# Altium PCB PCB.PcbDoc (part 3 of 3)
Units mm, origin at the board's own origin, x right, y up, seen from the top; angles counter-clockwise.
Board outline 241.05 x 164.34 mm, 2 copper layers (Top Layer, Bottom Layer); 689 components, 0 nets, 4401 pads, 0 vias.
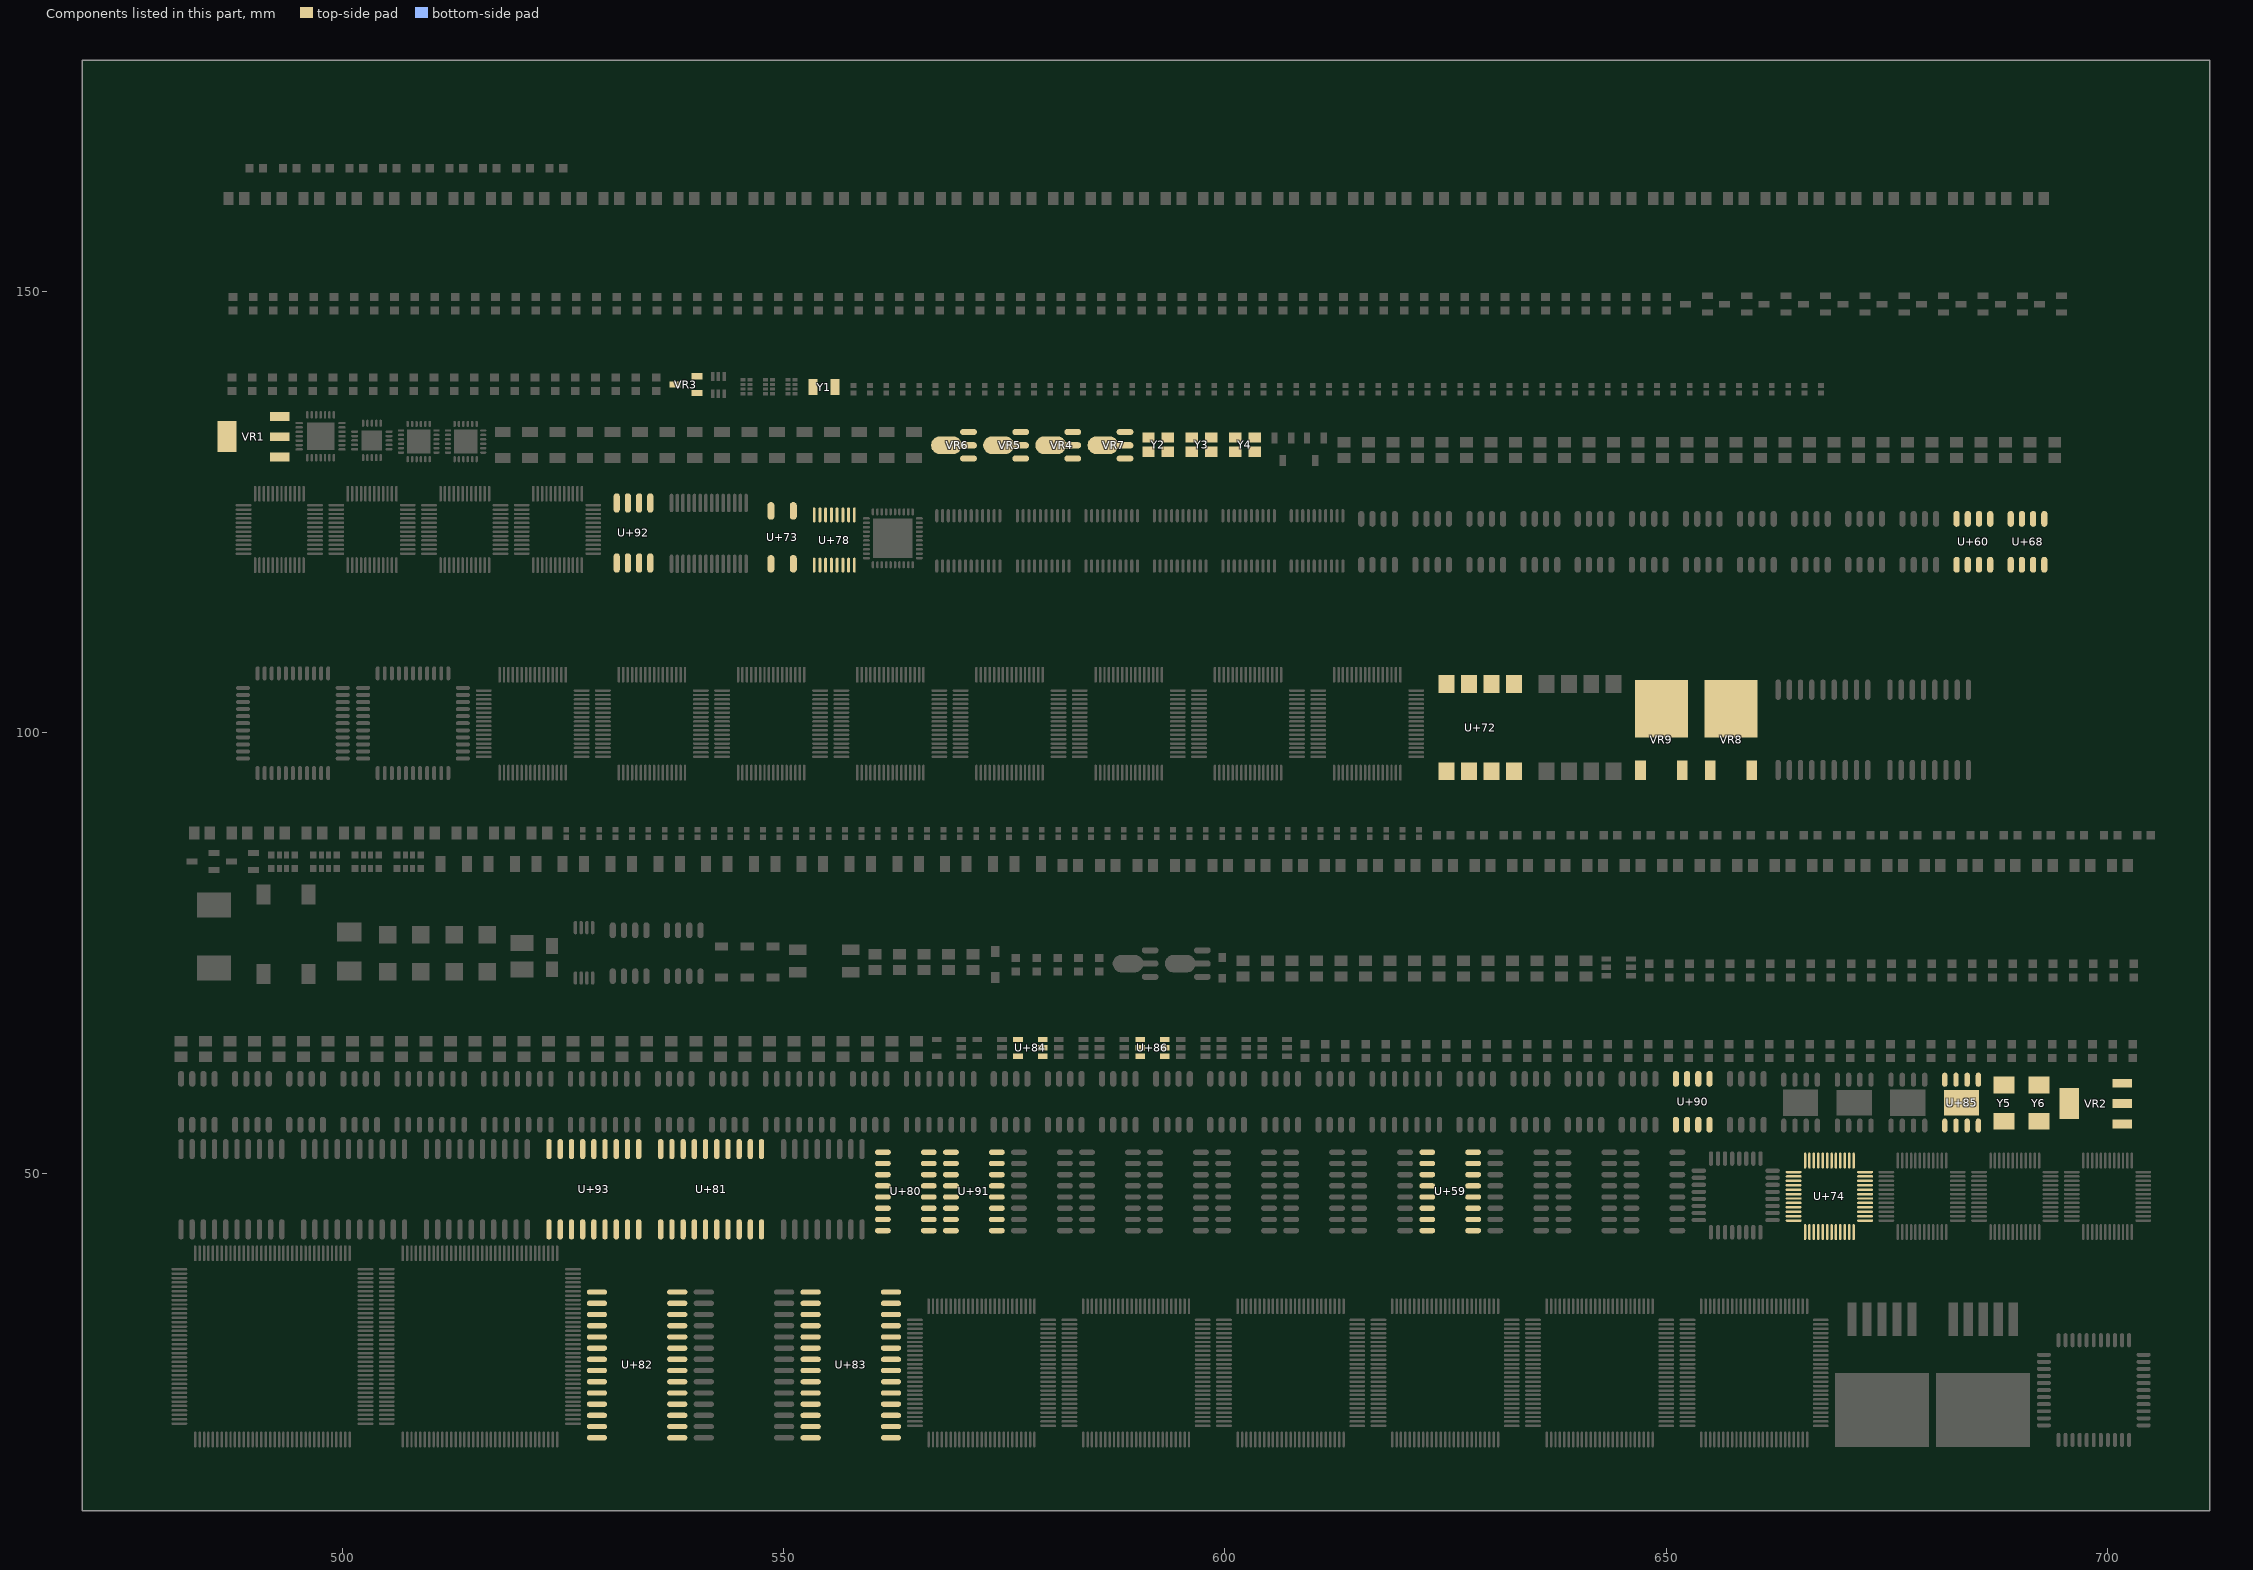
[diagram p3: the components of this part, seen from the top]

## Part data (continued)
U+59 U+78: "RS232"
U+60 U+80 U+90: "开关电源"
U+68: "时基集成"
U+72 U+73: "贴片光耦"
U+74: "以太网"
U+81 U+82 U+83: "LED驱动"
U+84 U+85 U+86: "电池电源管理"
U+91 U+93: "大电流驱动"
U+92: "Flash ROM"
VR1: library part "SOT-223 AMS1117-3.3", "低压差线性稳压(LDO)"
VR2: library part "SOT-223 AMS1117-5.0", "低压差线性稳压(LDO)"
VR3: library part "SOT-23 XC6206P332MR", "低压差线性稳压(LDO)"
VR4: library part "SOT-89 78L05G-AB3-R", "低压差线性稳压(LDO)"
VR5: library part "SOT-89 78L12G-AB3-R", "低压差线性稳压(LDO)"
VR6: library part "SOT-89 HT7533-1", "低压差线性稳压(LDO)"
VR7: library part "SOT-89 HT7550-1", "低压差线性稳压(LDO)"
VR8: library part "TO-252-2 L78M05ABDT-TR", "低压差线性稳压(LDO)"
VR9: library part "TO-252-2 LM317AL-TN3-R", "低压差线性稳压(LDO)"
Y1: library part "SMD-3215_2P 32.768KHz 20ppm 12.5pF", "贴片晶振"
Y2: library part "SMD-3225_4P  12MHZ 20PF 10PPM", "贴片晶振"
Y3: library part "SMD-3225_4P  16MHZ 9PF 10PPM", "贴片晶振"
Y4: library part "SMD-3225_4P  25MHZ 12PF 10PPM", "贴片晶振"
Y5: library part "SMD-5032_2P 11.0592MHZ 20PF 20PPM", "贴片晶振"
Y6: library part "SMD-5032_2P 8MHz 20ppm 20pF", "贴片晶振"

## Nets (pads, with @x,y where several pads share a name; then routed paths per layer and width w, separated by ;. In a path a pad name is that pad's centre, name@x,y a point inside that pad or via, vN(x,y) a via of type N, cw(c..) or ccw(c..) an arc to the next point about the centre after c; other vN are vias at no path point)
pads on no net: C1.1 C1.2 C2.1 C2.2 C3.1 C3.2 C4.1 C4.2 C5.1 C5.2 C6.1 C6.2 C7.1 C7.2 C8.1 C8.2 C9.1 C9.2 C10.1 C10.2 C11.1 C11.2 C12.1 C12.2 C13.1 C13.2 C14.1 C14.2 C15.1 C15.2 C16.1 C16.2 C17.1 C17.2 C18.1 C18.2 C19.1 C19.2 C20.1 C20.2 C21.1 C21.2 C22.1 C22.2 C23.1 C23.2 C24.1 C24.2 C25.1 C25.2 C26.1 C26.2 C27.1 C27.2 C28.1 C28.2 C29.1 C29.2 C30.1 C30.2 C31.1 C31.2 C32.1 C32.2 C33.1 C33.2 C34.1 C34.2 C35.1 C35.2 C36.1 C36.2 C37.1 C37.2 C38.1 C38.2 C39.1 C39.2 C40.1 C40.2 C41.1 C41.2 C42.1 C42.2 C43.1 C43.2 C44.1 C44.2 C45.1 C45.2 C46.1 C46.2 C47.1 C47.2 C48.1 C48.2 C49.1 C49.2 C50.1 C50.2 C51.1 C51.2 C52.1 C52.2 C53.1 C53.2 C54.1 C54.2 C55.1 C55.2 C56.1 C56.2 C57.1 C57.2 C58.1 C58.2 C59.1 C59.2 C60.1 C60.2 C61.1 C61.2 C62.1 C62.2 C63.1 C63.2 C64.1 C64.2 C65.1 C65.2 C66.1 C66.2 C67.1 C67.2 C68.1 C68.2 C69.1 C69.2 C70.1 C70.2 C71.1 C71.2 C72.1 C72.2 C73.1 C73.2 C74.1 C74.2 C75.1 C75.2 C76.1 C76.2 C77.1 C77.2 C78.1 C78.2 C79.1 C79.2 C80.1 C80.2 C81.1 C81.2 C82.1 C82.2 C83.1 C83.2 C84.1 C84.2 C85.1 C85.2 C86.1 C86.2 C87.1 C87.2 C88.1 C88.2 C89.1 C89.2 C90.1 C90.2 C91.1 C91.2 C92.1 C92.2 C93.1 C93.2 C94.1 C94.2 C95.1 C95.2 C96.1 C96.2 C97.1 C97.2 C98.1 C98.2 C99.1 C99.2 C100.1 C100.2 C101.1 C101.2 C102.1 C102.2 C103.1 C103.2 C104.1 C104.2 C105.1 C105.2 C106.1 C106.2 C107.1 C107.2 C108.1 C108.2 C109.1 C109.2 C110.1 C110.2 C111.1 C111.2 C112.1 C112.2 C113.1 C113.2 C114.1 C114.2 C115.1 C115.2 C116.1 C116.2 C117.1 C117.2 C118.1 C118.2 C119.1 C119.2 C120.1 C120.2 C121.1 C121.2 C122.1 C122.2 C123.1 C123.2 C124.1 C124.2 C125.1 C125.2 C126.1 C126.2 C127.1 C127.2 C128.1 C128.2 C129.1 C129.2 C130.1 C130.2 C131.1 C131.2 C132.1 C132.2 C133.1 C133.2 C134.1 C134.2 C135.1 C135.2 C136.1 C136.2 C137.1 C137.2 C138.1 C138.2 C139.1 C139.2 C140.1 C140.2 C141.1 C141.2 C142.1 C142.2 C143.1 C143.2 C144.1 C144.2 C145.1 C145.2 C146.1 C146.2 C147.1 C147.2 C148.1 C148.2 C149.1 C149.2 C150.1 C150.2 C151.1 C151.2 C152.1 C152.2 C153.1 C153.2 C154.1 C154.2 C155.1 C155.2 D1.1 D1.2 D2.1 D2.2 D3.A D3.K D4.A D4.K D5.A D5.K D6.A D6.K D7.A D7.K D8.A D8.K D9.A D9.K D10.A D10.K D11.A D11.K D12.A D12.K D13.1 D13.2 D13.3 D13.4 D14.1 D14.2 D14.3 D14.4 D15.1 D15.2 D16.1 D16.2 D17.1 D17.2 D18.1 D18.2 D19.1 D19.2 D20.1 D20.2 D21.1 D21.2 D22.1 D22.2 D23.1 D23.2 D24.1 D24.2 D24.3 D25.1 D25.2 D25.3 L1.1 L1.2 L2.1 L2.2 L3.1 L3.2 L4.1 L4.2 L5.1 L5.2 L6.1 L6.2 L7.1 L7.2 L8.1 L8.2 L9.1 L9.2 L10.1 L10.2 L11.1 L11.2 L12.1 L12.2 L13.1 L13.2 L14.1 L14.2 L15.1 L15.2 L16.1 L16.2 L17.1 L17.2 L18.1 L18.2 L19.1 L19.2 L20.1 L20.2 L21.1 L21.2 L22.1 L22.2 L23.1 L23.2 L24.1 L24.2 L25.1 L25.2 L26.1 L26.2 L27.1 L27.2 L28.1 L28.2 L29.1 L29.2 L30.1 L30.2 L31.1 L31.2 L32.1 L32.2 L33.1 L33.2 L34.1 L34.2 L35.1 L35.2 Q1.1 Q1.2 Q1.3 Q2.1 Q2.2 Q2.3 Q3.1 Q3.2 Q3.3 Q4.1 Q4.2 Q4.3 Q5.1 Q5.2 Q5.3 Q6.1 Q6.2 Q6.3 Q7.1 Q7.2 Q7.3 Q8.1 Q8.2 Q8.3 Q8.4 Q8.5 Q8.6 Q9.1 Q9.2 Q9.3 Q10.1 Q10.2 Q10.3 Q11.1 Q11.2 Q11.3 Q12.1 Q12.2 Q12.3 Q12.4 Q12.5 Q12.6 Q12.7 Q12.8 Q13.1 Q13.2 Q13.3 Q13.4 Q13.5 Q13.6 Q13.7 Q13.8 Q14.1 Q14.2 Q14.3 Q15.1 Q15.2 Q15.3 Q15.4 Q15.5 Q15.6 Q15.7 Q15.8 Q16.1 Q16.2 Q16.3 R1.1 R1.2 R1.3 R1.4 R1.5 R1.6 R1.7 R1.8 R2.1 R2.2 R2.3 R2.4 R2.5 R2.6 R2.7 R2.8 R3.1 R3.2 R3.3 R3.4 R3.5 R3.6 R3.7 R3.8 R4.1 R4.2 R4.3 R4.4 R4.5 R4.6 R4.7 R4.8 R5.1 R5.2 R6.1 R6.2 R7.1 R7.2 R8.1 R8.2 R9.1 R9.2 R10.1 R10.2 R11.1 R11.2 R12.1 R12.2 R13.1 R13.2 R14.1 R14.2 R15.1 R15.2 R16.1 R16.2 R17.1 R17.2 R18.1 R18.2 R19.1 R19.2 R20.1 R20.2 R21.1 R21.2 R22.1 R22.2 R23.1 R23.2 R24.1 R24.2 R25.1 R25.2 R26.1 R26.2 R27.1 R27.2 R28.1 R28.2 R29.1 R29.2 R30.1 R30.2 R31.1 R31.2 R32.1 R32.2 R33.1 R33.2 R34.1 R34.2 R35.1 R35.2 R36.1 R36.2 R37.1 R37.2 R38.1 R38.2 R39.1 R39.2 R40.1 R40.2 R41.1 R41.2 R42.1 R42.2 R43.1 R43.2 R44.1 R44.2 R45.1 R45.2 R46.1 R46.2 R47.1 R47.2 R48.1 R48.2 R49.1 R49.2 R50.1 R50.2 R51.1 R51.2 R52.1 R52.2 R53.1 R53.2 R54.1 R54.2 R55.1 R55.2 R56.1 R56.2 R57.1 R57.2 R58.1 R58.2 R59.1 R59.2 R60.1 R60.2 R61.1 R61.2 R62.1 R62.2 R63.1 R63.2 R64.1 R64.2 R65.1 R65.2 R66.1 R66.2 R67.1 R67.2 R68.1 R68.2 R69.1 R69.2 R70.1 R70.2 R71.1 R71.2 R72.1 R72.2 R73.1 R73.2 R74.1 R74.2 R75.1 R75.2 R76.1 R76.2 R77.1 R77.2 R78.1 R78.2 R79.1 R79.2 R80.1 R80.2 R81.1 R81.2 R82.1 R82.2 R83.1 R83.2 R84.1 R84.2 R85.1 R85.2 R86.1 R86.2 R87.1 R87.2 R88.1 R88.2 R89.1 R89.2 R90.1 R90.2 R91.1 R91.2 R92.1 R92.2 R93.1 R93.2 R94.1 R94.2 R95.1 R95.2 R96.1 R96.2 R97.1 R97.2 R98.1 R98.2 R99.1 R99.2 R100.1 R100.2 R101.1 R101.2 R102.1 R102.2 R103.1 R103.2 R104.1 R104.2 R105.1 R105.2 R106.1 R106.2 R107.1 R107.2 R108.1 R108.2 R109.1 R109.2 R110.1 R110.2 R111.1 R111.2 R112.1 R112.2 R113.1 R113.2 R114.1 R114.2 R115.1 R115.2 R116.1 R116.2 R117.1 R117.2 R118.1 R118.2 R119.1 R119.2 R120.1 R120.2 R121.1 R121.2 R122.1 R122.2 R123.1 R123.2 R124.1 R124.2 R125.1 R125.2 R126.1 R126.2 R127.1 R127.2 R128.1 R128.2 R129.1 R129.2 R130.1 R130.2 R131.1 R131.2 R132.1 R132.2 R133.1 R133.2 R134.1 R134.2 R135.1 R135.2 R136.1 R136.2 R137.1 R137.2 R138.1 R138.2 R139.1 R139.2 R140.1 R140.2 R141.1 R141.2 R142.1 R142.2 R143.1 R143.2 R144.1 R144.2 R145.1 R145.2 R146.1 R146.2 R147.1 R147.2 R148.1 R148.2 R149.1 R149.2 R150.1 R150.2 R151.1 R151.2 R152.1 R152.2 R153.1 R153.2 R154.1 R154.2 R155.1 R155.2 R156.1 R156.2 R157.1 R157.2 R158.1 R158.2 R159.1 R159.2 R160.1 R160.2 R161.1 R161.2 R162.1 R162.2 R163.1 R163.2 R164.1 R164.2 R165.1 R165.2 R166.1 R166.2 R167.1 R167.2 R168.1 R168.2 R169.1 R169.2 R170.1 R170.2 R171.1 R171.2 R172.1 R172.2 R173.1 R173.2 R174.1 R174.2 R175.1 R175.2 R176.1 R176.2 R177.1 R177.2 R178.1 R178.2 R179.1 R179.2 R180.1 R180.2 R181.1 R181.2 R182.1 R182.2 R183.1 R183.2 R184.1 R184.2 R185.1 R185.2 R186.1 R186.2 R187.1 R187.2 R188.1 R188.2 R189.1 R189.2 R190.1 R190.2 R191.1 R191.2 R192.1 R192.2 R193.1 R193.2 R194.1 R194.2 R195.1 R195.2 R196.1 R196.2 R197.1 R197.2 R197.3 R197.4 R197.5 R197.6 R197.7 R197.8 R198.1 R198.2 R198.3 R198.4 R198.5 R198.6 R198.7 R198.8 R199.1 R199.2 R199.3 R199.4 R199.5 R199.6 R199.7 R199.8 R200.1 R200.2 R201.1 R201.2 R202.1 R202.2 R203.1 R203.2 R204.1 R204.2 R205.1 R205.2 R206.1 R206.2 R207.1 R207.2 R208.1 R208.2 R209.1 R209.2 R210.1 R210.2 R211.1 R211.2 R212.1 R212.2 R213.1 R213.2 R214.1 R214.2 R215.1 R215.2 R216.1 R216.2 R217.1 R217.2 R218.1 R218.2 R219.1 R219.2 R220.1 R220.2 R221.1 R221.2 R222.1 R222.2 R223.1 R223.2 R224.1 R224.2 R225.1 R225.2 R226.1 R226.2 R227.1 R227.2 R228.1 R228.2 R229.1 R229.2 R230.1 R230.2 R231.1 R231.2 R232.1 R232.2 R233.1 R233.2 R234.1 R234.2 R235.1 R235.2 R236.1 R236.2 R237.1 R237.2 R238.1 R238.2 R239.1 R239.2 R240.1 R240.2 R241.1 R241.2 R242.1 R242.2 R243.1 R243.2 R244.1 R244.2 R245.1 R245.2 R246.1 R246.2 R247.1 R247.2 R248.1 R248.2 R249.1 R249.2 R250.1 R250.2 R251.1 R251.2 R252.1 R252.2 R253.1 R253.2 R254.1 R254.2 R255.1 R255.2 R256.1 R256.2 R257.1 R257.2 R258.1 R258.2 R259.1 R259.2 R260.1 R260.2 R261.1 R261.2 R262.1 R262.2 R263.1 R263.2 R264.1 R264.2 R265.1 R265.2 R266.1 R266.2 R267.1 R267.2 R268.1 R268.2 R269.1 R269.2 R270.1 R270.2 R271.1 R271.2 R272.1 R272.2 R273.1 R273.2 R274.1 R274.2 R275.1 R275.2 R276.1 R276.2 R277.1 R277.2 R278.1 R278.2 R279.1 R279.2 R280.1 R280.2 R281.1 R281.2 R282.1 R282.2 R283.1 R283.2 R284.1 R284.2 R285.1 R285.2 R286.1 R286.2 R287.1 R287.2 R288.1 R288.2 R289.1 R289.2 R290.1 R290.2 R291.1 R291.2 R292.1 R292.2 R293.1 R293.2 R294.1 R294.2 R295.1 R295.2 R296.1 R296.2 R297.1 R297.2 R298.1 R298.2 R299.1 R299.2 R300.1 R300.2 R301.1 R301.2 R302.1 R302.2 R303.1 R303.2 R304.1 R304.2 R305.1 R305.2 R306.1 R306.2 R307.1 R307.2 R308.1 R308.2 R309.1 R309.2 R310.1 R310.2 R311.1 R311.2 R312.1 R312.2 R313.1 R313.2 R314.1 R314.2 R315.1 R315.2 R316.1 R316.2 R317.1 R317.2 R318.1 R318.2 U1.1 U1.2 U1.3 U1.4 U1.5 U1.6 U1.7 U1.8 U1.9 U1.10 U1.11 U1.12 U1.13 U1.14 U1.15 U1.16 U1.17 U1.18 U1.19 U1.20 U1.21 U1.22 U1.23 U1.24 U1.25 U1.26 U1.27 U1.28 U1.29 U1.30 U1.31 U1.32 U1.33 U1.34 U1.35 U1.36 U1.37 U1.38 U1.39 U1.40 U1.41 U1.42 U1.43 U1.44 U1.45 U1.46 U1.47 U1.48 U1.49 U1.50 U1.51 U1.52 U1.53 U1.54 U1.55 U1.56 U1.57 U1.58 U1.59 U1.60 U1.61 U1.62 U1.63 U1.64 U1.65 U1.66 U1.67 U1.68 U1.69 U1.70 U1.71 U1.72 U1.73 U1.74 U1.75 U1.76 U1.77 U1.78 U1.79 U1.80 U1.81 U1.82 U1.83 U1.84 U1.85 U1.86 U1.87 U1.88 U1.89 U1.90 U1.91 U1.92 U1.93 U1.94 U1.95 U1.96 U1.97 U1.98 U1.99 U1.100 U2.1 U2.2 U2.3 U2.4 U2.5 U2.6 U2.7 U2.8 U2.9 U2.10 U2.11 U2.12 U2.13 U2.14 U2.15 U2.16 U2.17 U2.18 U2.19 U2.20 U2.21 U2.22 U2.23 U2.24 U2.25 U2.26 U2.27 U2.28 U2.29 U2.30 U2.31 U2.32 U2.33 U2.34 U2.35 U2.36 U2.37 U2.38 U2.39 U2.40 U2.41 U2.42 U2.43 U2.44 U2.45 U2.46 U2.47 U2.48 U2.49 U2.50 U2.51 U2.52 U2.53 U2.54 U2.55 U2.56 U2.57 U2.58 U2.59 U2.60 U2.61 U2.62 U2.63 U2.64 U2.65 U2.66 U2.67 U2.68 U2.69 U2.70 U2.71 U2.72 U2.73 U2.74 U2.75 U2.76 U2.77 U2.78 U2.79 U2.80 U2.81 U2.82 U2.83 U2.84 U2.85 U2.86 U2.87 U2.88 U2.89 U2.90 U2.91 U2.92 U2.93 U2.94 U2.95 U2.96 U2.97 U2.98 U2.99 U2.100 U3.1 U3.2 U3.3 U3.4 U3.5 U3.6 U3.7 U3.8 U3.9 U3.10 U3.11 U3.12 U3.13 U3.14 U3.15 U3.16 U3.17 U3.18 U3.19 U3.20 U3.21 U3.22 U3.23 U3.24 U3.25 U3.26 U3.27 U3.28 U3.29 U3.30 U3.31 U3.32 U3.33 U3.34 U3.35 U3.36 U3.37 U3.38 U3.39 U3.40 U3.41 U3.42 U3.43 U3.44 U3.45 U3.46 U3.47 U3.48 U3.49 U3.50 U3.51 U3.52 U3.53 U3.54 U3.55 U3.56 U3.57 U3.58 U3.59 U3.60 U3.61 U3.62 U3.63 U3.64 U3.65 U3.66 U3.67 U3.68 U3.69 U3.70 U3.71 U3.72 U3.73 U3.74 U3.75 U3.76 U3.77 U3.78 U3.79 U3.80 U3.81 U3.82 U3.83 U3.84 U3.85 U3.86 U3.87 U3.88 U3.89 U3.90 U3.91 U3.92 U3.93 U3.94 U3.95 U3.96 U3.97 U3.98 U3.99 U3.100 U4.1 U4.2 U4.3 U4.4 U4.5 U4.6 U4.7 U4.8 U4.9 U4.10 U4.11 U4.12 U4.13 U4.14 U4.15 U4.16 U4.17 U4.18 U4.19 U4.20 U4.21 U4.22 U4.23 U4.24 U4.25 U4.26 U4.27 U4.28 U4.29 U4.30 U4.31 U4.32 U4.33 U4.34 U4.35 U4.36 U4.37 U4.38 U4.39 U4.40 U4.41 U4.42 U4.43 U4.44 U4.45 U4.46 U4.47 U4.48 U4.49 U4.50 U4.51 U4.52 U4.53 U4.54 U4.55 U4.56 U4.57 U4.58 U4.59 U4.60 U4.61 U4.62 U4.63 U4.64 U4.65 U4.66 U4.67 U4.68 U4.69 U4.70 U4.71 U4.72 U4.73 U4.74 U4.75 U4.76 U4.77 U4.78 U4.79 U4.80 U4.81 U4.82 U4.83 U4.84 U4.85 U4.86 U4.87 U4.88 U4.89 U4.90 U4.91 U4.92 U4.93 U4.94 U4.95 U4.96 U4.97 U4.98 U4.99 U4.100 U4.101 U4.102 U4.103 U4.104 U4.105 U4.106 U4.107 U4.108 U4.109 U4.110 U4.111 U4.112 U4.113 U4.114 U4.115 U4.116 U4.117 U4.118 U4.119 U4.120 U4.121 U4.122 U4.123 U4.124 U4.125 U4.126 U4.127 U4.128 U4.129 U4.130 U4.131 U4.132 U4.133 U4.134 U4.135 U4.136 U4.137 U4.138 U4.139 U4.140 U4.141 U4.142 U4.143 U4.144 U5.1 U5.2 U5.3 U5.4 U5.5 U5.6 U5.7 U5.8 U5.9 U5.10 U5.11 U5.12 U5.13 U5.14 U5.15 U5.16 U5.17 U5.18 U5.19 U5.20 U5.21 U5.22 U5.23 U5.24 U5.25 U5.26 U5.27 U5.28 U5.29 U5.30 U5.31 U5.32 U5.33 U5.34 U5.35 U5.36 U5.37 U5.38 U5.39 U5.40 U5.41 U5.42 U5.43 U5.44 U5.45 U5.46 U5.47 U5.48 U5.49 U5.50 U5.51 U5.52 U5.53 U5.54 U5.55 U5.56 U5.57 U5.58 U5.59 U5.60 U5.61 U5.62 U5.63 U5.64 U5.65 U5.66 U5.67 U5.68 U5.69 U5.70 U5.71 U5.72 U5.73 U5.74 U5.75 U5.76 U5.77 U5.78 U5.79 U5.80 U5.81 U5.82 U5.83 U5.84 U5.85 U5.86 U5.87 U5.88 U5.89 U5.90 U5.91 U5.92 U5.93 U5.94 U5.95 U5.96 U5.97 U5.98 U5.99 U5.100 U5.101 U5.102 U5.103 U5.104 U5.105 U5.106 U5.107 U5.108 U5.109 U5.110 U5.111 U5.112 U5.113 U5.114 U5.115 U5.116 U5.117 U5.118 U5.119 U5.120 U5.121 U5.122 U5.123 U5.124 U5.125 U5.126 U5.127 U5.128 U5.129 U5.130 U5.131 U5.132 U5.133 U5.134 U5.135 U5.136 U5.137 U5.138 U5.139 U5.140 U5.141 U5.142 U5.143 U5.144 U6.1 U6.2 U6.3 U6.4 U6.5 U6.6 U6.7 U6.8 U6.9 U6.10 U6.11 U6.12 U6.13 U6.14 U6.15 U6.16 U6.17 U6.18 U6.19 U6.20 U6.21 U6.22 U6.23 U6.24 U6.25 U6.26 U6.27 U6.28 U6.29 U6.30 U6.31 U6.32 U6.33 U6.34 U6.35 U6.36 U6.37 U6.38 U6.39 U6.40 U6.41 U6.42 U6.43 U6.44 U6.45 U6.46 U6.47 U6.48 U6.49 U6.50 U6.51 U6.52 U6.53 U6.54 U6.55 U6.56 U6.57 U6.58 U6.59 U6.60 U6.61 U6.62 U6.63 U6.64 U6.65 U6.66 U6.67 U6.68 U6.69 U6.70 U6.71 U6.72 U6.73 U6.74 U6.75 U6.76 U6.77 U6.78 U6.79 U6.80 U6.81 U6.82 U6.83 U6.84 U6.85 U6.86 U6.87 U6.88 U6.89 U6.90 U6.91 U6.92 U6.93 U6.94 U6.95 U6.96 U6.97 U6.98 U6.99 U6.100 U7.1 U7.2 U7.3 U7.4 U7.5 U7.6 U7.7 U7.8 U7.9 U7.10 U7.11 U7.12 U7.13 U7.14 U7.15 U7.16 U7.17 U7.18 U7.19 U7.20 U7.21 U7.22 U7.23 U7.24 U7.25 U7.26 U7.27 U7.28 U7.29 U7.30 U7.31 U7.32 U7.33 U7.34 U7.35 U7.36 U7.37 U7.38 U7.39 U7.40 U7.41 U7.42 U7.43 U7.44 U7.45 U7.46 U7.47 U7.48 U8.1 U8.2 U8.3 U8.4 U8.5 U8.6 U8.7 U8.8 U8.9 U8.10 U8.11 U8.12 U8.13 U8.14 U8.15 U8.16 U8.17 U8.18 U8.19 U8.20 U8.21 U8.22 U8.23 U8.24 U8.25 U8.26 U8.27 U8.28 U8.29 U8.30 U8.31 U8.32 U8.33 U8.34 U8.35 U8.36 U8.37 U8.38 U8.39 U8.40 U8.41 U8.42 U8.43 U8.44 U9.1 U9.2 U9.3 U9.4 U9.5 U9.6 U9.7 U9.8 U9.9 U9.10 U9.11 U9.12 U9.13 U9.14 U9.15 U9.16 U9.17 U9.18 U9.19 U9.20 U9.21 U9.22 U9.23 U9.24 U9.25 U9.26 U9.27 U9.28 U9.29 U9.30 U9.31 U9.32 U9.33 U9.34 U9.35 U9.36 U9.37 U9.38 U9.39 U9.40 U9.41 U9.42 U9.43 U9.44 U9.45 U9.46 U9.47 U9.48 U9.49 U9.50 U9.51 U9.52 U9.53 U9.54 U9.55 U9.56 U9.57 U9.58 U9.59 U9.60 U9.61 U9.62 U9.63 U9.64 U10.1 U10.2 U10.3 U10.4 U10.5 U10.6 U10.7 U10.8 U10.9 U10.10 U10.11 U10.12 U10.13 U10.14 U10.15 U10.16 U10.17 U10.18 U10.19 U10.20 U10.21 U10.22 U10.23 U10.24 U10.25 U10.26 U10.27 U10.28 U10.29 U10.30 U10.31 U10.32 U10.33 U10.34 U10.35 U10.36 U10.37 U10.38 U10.39 U10.40 U10.41 U10.42 U10.43 U10.44 U10.45 U10.46 U10.47 U10.48 U10.49 U10.50 U10.51 U10.52 U10.53 U10.54 U10.55 U10.56 U10.57 U10.58 U10.59 U10.60 U10.61 U10.62 U10.63 U10.64 U11.1 U11.2 U11.3 U11.4 U11.5 U11.6 U11.7 U11.8 U11.9 U11.10 U11.11 U11.12 U11.13 U11.14 U11.15 U11.16 U11.17 U11.18 U11.19 U11.20 U11.21 U11.22 U11.23 U11.24 U11.25 U11.26 U11.27 U11.28 U11.29 U11.30 U11.31 U11.32 U11.33 U11.34 U11.35 U11.36 U11.37 U11.38 U11.39 U11.40 U11.41 U11.42 U11.43 U11.44 U11.45 U11.46 U11.47 U11.48 U11.49 U11.50 U11.51 U11.52 U11.53 U11.54 U11.55 U11.56 U11.57 U11.58 U11.59 U11.60 U11.61 U11.62 U11.63 U11.64 U12.1 U12.2 U12.3 U12.4 U12.5 U12.6 U12.7 U12.8 U12.9 U12.10 U12.11 U12.12 U12.13 U12.14 U12.15 U12.16 U12.17 U12.18 U12.19 U12.20 U12.21 U12.22 U12.23 U12.24 U12.25 U12.26 U12.27 U12.28 U12.29 U12.30 U12.31 U12.32 U12.33 U12.34 U12.35 U12.36 U12.37 U12.38 U12.39 U12.40 U12.41 U12.42 U12.43 U12.44 U12.45 U12.46 U12.47 U12.48 U12.49 U12.50 U12.51 U12.52 U12.53 U12.54 U12.55 U12.56 U12.57 U12.58 U12.59 U12.60 U12.61 U12.62 U12.63 U12.64 U13.1 U13.2 U13.3 U13.4 U13.5 U13.6 U13.7 U13.8 U13.9 U13.10 U13.11 U13.12 U13.13 U13.14 U13.15 U13.16 U13.17 U13.18 U13.19 U13.20 U13.21 U13.22 U13.23 U13.24 U13.25 U13.26 U13.27 U13.28 U13.29 U13.30 U13.31 U13.32 U13.33 U13.34 U13.35 U13.36 U13.37 U13.38 U13.39 U13.40 U13.41 U13.42 U13.43 U13.44 U13.45 U13.46 U13.47 U13.48 U13.49 U13.50 U13.51 U13.52 U13.53 U13.54 U13.55 U13.56 U13.57 U13.58 U13.59 U13.60 U13.61 U13.62 U13.63 U13.64 U14.1 U14.2 U14.3 U14.4 U14.5 U14.6 U14.7 U14.8 U14.9 U14.10 U14.11 U14.12 U14.13 U14.14 U14.15 U14.16 U14.17 U14.18 U14.19 U14.20 U14.21 U14.22 U14.23 U14.24 U14.25 U14.26 U14.27 U14.28 U14.29 U14.30 U14.31 U14.32 U14.33 U14.34 U14.35 U14.36 U14.37 U14.38 U14.39 U14.40 U14.41 U14.42 U14.43 U14.44 U14.45 U14.46 U14.47 U14.48 U14.49 U14.50 U14.51 U14.52 U14.53 U14.54 U14.55 U14.56 U14.57 U14.58 U14.59 U14.60 U14.61 U14.62 U14.63 U14.64 U15.1 U15.2 U15.3 U15.4 U15.5 U15.6 U15.7 U15.8 U15.9 U15.10 U15.11 U15.12 U15.13 U15.14 U15.15 U15.16 U15.17 U15.18 U15.19 U15.20 U15.21 U15.22 U15.23 U15.24 U15.25 U15.26 U15.27 U15.28 U15.29 U15.30 U15.31 U15.32 U15.33 U15.34 U15.35 U15.36 U15.37 U15.38 U15.39 U15.40 U15.41 U15.42 U15.43 U15.44 U15.45 U15.46 U15.47 U15.48 U15.49 U15.50 U15.51 U15.52 U15.53 U15.54 U15.55 U15.56 U15.57 U15.58 U15.59 U15.60 U15.61 U15.62 U15.63 U15.64 U16.1 U16.2 U16.3 U16.4 U16.5 U16.6 U16.7 U16.8 U16.9 U16.10 U16.11 U16.12 U16.13 U16.14 U16.15 U16.16 U16.17 U16.18 U16.19 U16.20 U16.21 U16.22 U16.23 U16.24 U16.25 U16.26 U16.27 U16.28 U16.29 U16.30 U16.31 U16.32 U16.33 U16.34 U16.35 U16.36 U16.37 U16.38 U16.39 U16.40 U16.41 U16.42 U16.43 U16.44 U16.45 U16.46 U16.47 U16.48 U16.49 U16.50 U16.51 U16.52 U16.53 U16.54 U16.55 U16.56 U16.57 U16.58 U16.59 U16.60 U16.61 U16.62 U16.63 U16.64 U16.65 U16.66 U16.67 U16.68 U16.69 U16.70 U16.71 U16.72 U16.73 U16.74 U16.75 U16.76 U16.77 U16.78 U16.79 U16.80 U16.81 U16.82 U16.83 U16.84 U16.85 U16.86 U16.87 U16.88 U16.89 U16.90 U16.91 U16.92 U16.93 U16.94 U16.95 U16.96 U16.97 U16.98 U16.99 U16.100 U17.1 U17.2 U17.3 U17.4 U17.5 U17.6 U17.7 U17.8 U17.9 U17.10 U17.11 U17.12 U17.13 U17.14 U17.15 U17.16 U17.17 U17.18 U17.19 U17.20 U17.21 U17.22 U17.23 U17.24 U17.25 U17.26 U17.27 U17.28 U17.29 U17.30 U17.31 U17.32 U18.1 U18.2 U18.3 U18.4 U18.5 U18.6 U18.7 U18.8 U18.9 U18.10 U18.11 U18.12 U18.13 U18.14 U18.15 U18.16 U18.17 U18.18 U18.19 U18.20 U18.21 U18.22 U18.23 U18.24 U18.25 U18.26 U18.27 U18.28 U18.29 U18.30 U18.31 U18.32 U18.33 U18.34 U18.35 U18.36 U18.37 U18.38 U18.39 U18.40 U18.41 U18.42 U18.43 U18.44 U18.45 U18.46 U18.47 U18.48 U18.49 U18.50 U18.51 U18.52 U18.53 U18.54 U18.55 U18.56 U18.57 U18.58 U18.59 U18.60 U18.61 U18.62 U18.63 U18.64 U19.1 U19.2 U19.3 U19.4 U19.5 U19.6 U19.7 U19.8 U19.9 U19.10 U19.11 U19.12 U19.13 U19.14 U19.15 U19.16 U19.17 U19.18 U19.19 U19.20 U19.21 U19.22 U19.23 U19.24 U19.25 U19.26 U19.27 U19.28 U19.29 U19.30 U19.31 U19.32 U19.33 U19.34 U19.35 U19.36 U19.37 U19.38 U19.39 U19.40 U19.41 U19.42 U19.43 U19.44 U20.1 U20.2 U20.3 U20.4 U20.5 U20.6 U20.7 U20.8 U20.9 U20.10 U20.11 U20.12 U20.13 U20.14 U20.15 U20.16 U20.17 U20.18 U20.19 U20.20 U20.21 U20.22 U20.23 U20.24 U20.25 U20.26 U20.27 U20.28 U20.29 U20.30 U20.31 U20.32 U20.33 U20.34 U20.35 U20.36 U20.37 U20.38 U20.39 U20.40 U20.41 U20.42 U20.43 U20.44 U20.45 U20.46 U20.47 U20.48 U21.1 U21.2 U21.3 U21.4 U21.5 U21.6 U21.7 U21.8 U21.9 U21.10 U21.11 U21.12 U21.13 U21.14 U21.15 U21.16 U21.17 U21.18 U21.19 U21.20 U21.21 U21.22 U21.23 U21.24 U21.25 U21.26 U21.27 U21.28 U21.29 U21.30 U21.31 U21.32 U21.33 U21.34 U21.35 U21.36 U21.37 U21.38 U21.39 U21.40 U21.41 U21.42 U21.43 U21.44 U21.45 U21.46 U21.47 U21.48 U22.1 U22.2 U22.3 U22.4 U22.5 U22.6 U22.7 U22.8 U22.9 U22.10 U22.11 U22.12 U22.13 U22.14 U22.15 U22.16 U22.17 U22.18 U22.19 U22.20 U22.21 U22.22 U22.23 U22.24 U22.25 U22.26 U22.27 U22.28 U22.29 U22.30 U22.31 U22.32 U22.33 U22.34 U22.35 U22.36 U22.37 U22.38 U22.39 U22.40 U22.41 U22.42 U22.43 U22.44 U23.1 U23.2 U23.3 U23.4 U23.5 U23.6 U23.7 U23.8 U23.9 U23.10 U23.11 U23.12 U23.13 U23.14 U23.15 U23.16 U23.17 U23.18 U23.19 U23.20 U23.21 U23.22 U23.23 U23.24 U23.25 U23.26 U23.27 U23.28 U23.29 U23.30 U23.31 U23.32 U23.33 U23.34 U23.35 U23.36 U23.37 U23.38 U23.39 U23.40 U23.41 U23.42 U23.43 U23.44 U23.45 U23.46 U23.47 U23.48 U24.1 U24.2 U24.3 U24.4 U24.5 U24.6 U24.7 U24.8 U24.9 U24.10 U24.11 U24.12 U24.13 U24.14 U24.15 U24.16 U24.17 U24.18 U24.19 U24.20 U24.21 U24.22 U24.23 U24.24 U24.25 U24.26 U24.27 U24.28 U24.29 U24.30 U24.31 U24.32 U24.33 U24.34 U24.35 U24.36 U24.37 U24.38 U24.39 U24.40 U24.41 U24.42 U24.43 U24.44 U24.45 U24.46 U24.47 U24.48 U25.1 U25.2 U25.3 U25.4 U25.5 U25.6 U25.7 U25.8 U25.9 U25.10 U25.11 U25.12 U25.13 U25.14 U25.15 U25.16 U25.17 U25.18 U25.19 U25.20 U26.1 U26.2 U26.3 U26.4 U26.5 U26.6 U26.7 U26.8 U26.9 U26.10 U26.11 U26.12 U26.13 U26.14 U26.15 U26.16 U26.17 U26.18 U26.19 U26.20 U27.1 U27.2 U27.3 U27.4 U27.5 U27.6 U27.7 U27.8 U27.9 U27.10 U27.11 U27.12 U27.13 U27.14 U27.15 U27.16 U27.17 U27.18 U27.19 U27.20 U27.21 U27.22 U27.23 U27.24 U27.25 U27.26 U27.27 U27.28 U27.29 U27.30 U27.31 U27.32 U27.33 U27.34 U27.35 U27.36 U27.37 U27.38 U27.39 U27.40 U27.41 U27.42 U27.43 U27.44 U27.45 U27.46 U27.47 U27.48 U27.49 U27.50 U27.51 U27.52 U27.53 U27.54 U27.55 U27.56 U27.57 U27.58 U27.59 U27.60 U27.61 U27.62 U27.63 U27.64 U27.65 U27.66 U27.67 U27.68 U27.69 U27.70 U27.71 U27.72 U27.73 U27.74 U27.75 U27.76 U27.77 U27.78 U27.79 U27.80 U27.81 U27.82 U27.83 U27.84 U27.85 U27.86 U27.87 U27.88 U27.89 U27.90 U27.91 U27.92 U27.93 U27.94 U27.95 U27.96 U27.97 U27.98 U27.99 U27.100 U28.1 U28.2 U28.3 U28.4 U28.5 U28.6 U28.7 U28.8 U28.9 U28.10 U28.11 U28.12 U28.13 U28.14 U28.15 U28.16 U28.17 U28.18 U28.19 U28.20 U29.1 U29.2 U29.3 U29.4 U29.5 U29.6 U29.7 U29.8 U29.9 U29.10 U29.11 U29.12 U29.13 U29.14 U29.15 U29.16 U29.17 U29.18 U29.19 U29.20 U30.1 U30.2 U30.3 U30.4 U30.5 U30.6 U30.7 U30.8 U30.9 U30.10 U30.11 U30.12 U30.13 U30.14 U30.15 U30.16 U30.17 U30.18 U30.19 U30.20 U+1.1 U+1.2 U+1.3 U+1.4 U+1.5 U+1.6 U+1.7 U+1.8 U+1.9 U+1.10 U+1.11 U+1.12 U+1.13 U+1.14 U+1.15 U+1.16 U+1.17 U+1.18 U+1.19 U+1.20 U+1.21 U+1.22 U+1.23 U+1.24 U+1.25 U+1.26 U+1.27 U+1.28 U+1.29 U+1.30 U+1.31 U+1.32 U+1.33 U+1.34 U+1.35 U+1.36 U+1.37 U+1.38 U+1.39 U+1.40 U+1.41 U+1.42 U+1.43 U+1.44 U+1.45 U+1.46 U+1.47 U+1.48 U+2.0 U+2.1 U+2.2 U+2.3 U+2.4 U+2.5 U+2.6 U+2.7 U+2.8 U+2.9 U+2.10 U+2.11 U+2.12 U+2.13 U+2.14 U+2.15 U+2.16 U+2.17 U+2.18 U+2.19 U+2.20 U+2.21 U+2.22 U+2.23 U+2.24 U+3.0 U+3.1 U+3.2 U+3.3 U+3.4 U+3.5 U+3.6 U+3.7 U+3.8 U+3.9 U+3.10 U+3.11 U+3.12 U+3.13 U+3.14 U+3.15 U+3.16 U+3.17 U+3.18 U+3.19 U+3.20 U+3.21 U+3.22 U+3.23 U+3.24 U+3.25 U+3.26 U+3.27 U+3.28 U+4.0 U+4.1 U+4.2 U+4.3 U+4.4 U+4.5 U+4.6 U+4.7 U+4.8 U+4.9 U+4.10 U+4.11 U+4.12 U+4.13 U+4.14 U+4.15 U+4.16 U+4.17 U+4.18 U+4.19 U+4.20 U+4.21 U+4.22 U+4.23 U+4.24 U+5.0 U+5.1 U+5.2 U+5.3 U+5.4 U+5.5 U+5.6 U+5.7 U+5.8 U+5.9 U+5.10 U+5.11 U+5.12 U+5.13 U+5.14 U+5.15 U+5.16 U+5.17 U+5.18 U+5.19 U+5.20 U+5.21 U+5.22 U+5.23 U+5.24 U+5.25 U+5.26 U+5.27 U+5.28 U+5.29 U+5.30 U+5.31 U+5.32 U+5.33 U+5.34 U+5.35 U+5.36 U+5.37 U+5.38 U+5.39 U+5.40 U+6.0 U+6.1 U+6.2 U+6.3 U+6.4 U+6.5 U+6.6 U+6.7 U+6.8 U+6.9 U+6.10 U+6.11 U+6.12 U+6.13 U+6.14 U+6.15 U+6.16 U+6.17 U+6.18 U+6.19 U+6.20 U+7.1 U+7.2 U+7.3 U+7.4 U+7.5 U+7.6 U+7.7 U+7.8 U+8.1 U+8.2 U+8.3 U+8.4 U+8.5 U+8.6 U+8.7 U+8.8 U+8.9 U+8.10 U+8.11 U+8.12 U+8.13 U+8.14 U+9.1 U+9.2 U+9.3 U+9.4 U+9.5 U+9.6 U+9.7 U+9.8 U+10.1 U+10.2 U+10.3 U+10.4 U+10.5 U+10.6 U+10.7 U+10.8 U+11.1 U+11.2 U+11.3 U+11.4 U+11.5 U+12.1 U+12.2 U+12.3 U+12.4 U+12.5 U+12.6 U+12.7 U+12.8 U+12.9 U+12.10 U+12.11 U+12.12 U+12.13 U+12.14 U+13.1 U+13.2 U+13.3 U+13.4 U+13.5 U+13.6 U+13.7 U+13.8 U+14.1 U+14.2 U+14.3 U+14.4 U+14.5 U+14.6 U+14.7 U+14.8 U+15.1 U+15.2 U+15.3 U+15.4 U+15.5 U+15.6 U+15.7 U+15.8 U+15.9 U+15.10 U+15.11 U+15.12 U+15.13 U+15.14 U+15.15 U+15.16 U+16.1 U+16.2 U+16.3 U+17.1 U+17.2 U+17.3 U+17.4 U+17.5 U+17.6 U+17.7 U+17.8 U+18.1 U+18.2 U+18.3 U+18.4 U+18.5 U+18.6 U+18.7 U+18.8 U+18.9 U+18.10 U+18.11 U+18.12 U+18.13 U+18.14 U+19.1 U+19.2 U+19.3 U+19.4 U+19.5 U+19.6 U+19.7 U+19.8 U+19.9 U+19.10 U+19.11 U+19.12 U+19.13 U+19.14 U+20.1 U+20.2 U+20.3 U+20.4 U+20.5 U+20.6 U+20.7 U+20.8 U+20.9 U+20.10 U+20.11 U+20.12 U+20.13 U+20.14 U+21.1 U+21.2 U+21.3 U+21.4 U+21.5 U+21.6 U+21.7 U+21.8 U+22.1 U+22.2 U+22.3 U+23.1 U+23.2 U+23.3 U+23.4 U+23.5 U+23.6 U+23.7 U+23.8 U+24.1 U+24.2 U+24.3 U+24.4 U+24.5 U+24.6 U+24.7 U+24.8 U+24.9 U+24.10 U+24.11 U+24.12 U+24.13 U+24.14 U+24.15 U+24.16 U+25.1 U+25.2 U+25.3 U+25.4 U+25.5 U+25.6 U+25.7 U+25.8 U+25.9 U+25.10 U+25.11 U+25.12 U+25.13 U+25.14 U+26.1 U+26.2 U+26.3 U+26.4 U+26.5 U+26.6 U+26.7 U+26.8 U+26.9 U+26.10 U+26.11 U+26.12 U+26.13 U+26.14 U+26.15 U+26.16 U+27.1 U+27.2 U+27.3 U+27.4 U+27.5 U+27.6 U+27.7 U+27.8 U+27.9 U+27.10 U+27.11 U+27.12 U+27.13 U+27.14 U+27.15 U+27.16 U+27.17 U+27.18 U+27.19 U+27.20 U+28.1 U+28.2 U+28.3 U+28.4 U+28.5 U+28.6 U+28.7 U+28.8 U+28.9 U+28.10 U+28.11 U+28.12 U+28.13 U+28.14 U+28.15 U+28.16 U+28.17 U+28.18 U+28.19 U+28.20 U+29.1 U+29.2 U+29.3 U+29.4 U+29.5 U+29.6 U+29.7 U+29.8 U+29.9 U+29.10 U+29.11 U+29.12 U+29.13 U+29.14 U+29.15 U+29.16 U+29.17 U+29.18 U+29.19 U+29.20 U+30.1 U+30.2 U+30.3 U+30.4 U+30.5 U+30.6 U+30.7 U+30.8 U+30.9 U+30.10 U+30.11 U+30.12 U+30.13 U+30.14 U+30.15 U+30.16 U+31.1 U+31.2 U+31.3 U+31.4 U+31.5 U+31.6 U+31.7 U+31.8 U+32.1 U+32.2 U+32.3 U+32.4 U+32.5 U+32.6 U+32.7 U+32.8 U+32.9 U+32.10 U+32.11 U+32.12 U+32.13 U+32.14 U+32.15 U+32.16 U+33.1 U+33.2 U+33.3 U+33.4 U+33.5 U+33.6 U+33.7 U+33.8 U+34.1 U+34.2 U+34.3 U+34.4 U+34.5 U+34.6 U+34.7 U+34.8 U+34.9 U+34.10 U+34.11 U+34.12 U+34.13 U+34.14 U+34.15 U+34.16 U+35.1 U+35.2 U+35.3 U+35.4 U+35.5 U+35.6 U+35.7 U+35.8 U+35.9 U+35.10 U+35.11 U+35.12 U+35.13 U+35.14 U+35.15 U+35.16 U+36.1 U+36.2 U+36.3 U+36.4 U+36.5 U+36.6 U+36.7 U+36.8 U+37.1 U+37.2 U+37.3 U+37.4 U+37.5 U+37.6 U+37.7 U+37.8 U+38.1 U+38.2 U+38.3 U+38.4 U+38.5 U+38.6 U+38.7 U+38.8 U+39.1 U+39.2 U+39.3 U+39.4 U+39.5 U+39.6 U+39.7 U+39.8 U+40.1 U+40.2 U+40.3 U+40.4 U+40.5 U+40.6 U+40.7 U+40.8 U+41.1 U+41.2 U+41.3 U+41.4 U+41.5 U+41.6 U+41.7 U+41.8 U+41.9 U+41.10 U+41.11 U+41.12 U+41.13 U+41.14 U+41.15 U+41.16 U+42.1 U+42.2 U+42.3 U+42.4 U+42.5 U+42.6 U+42.7 U+42.8 U+42.9 U+42.10 U+42.11 U+42.12 U+42.13 U+42.14 U+42.15 U+42.16 U+43.1 U+43.2 U+43.3 U+43.4 U+43.5 U+43.6 U+43.7 U+43.8 U+43.9 U+43.10 U+43.11 U+43.12 U+43.13 U+43.14 U+43.15 U+43.16 U+44.1 U+44.2 U+44.3 U+44.4 U+44.5 U+44.6 U+44.7 U+44.8 U+44.9 U+44.10 U+44.11 U+44.12 U+44.13 U+44.14 U+44.15 U+44.16 U+44.17 U+44.18 U+44.19 U+44.20 U+44.21 U+44.22 U+44.23 U+44.24 U+44.25 U+44.26 U+44.27 U+44.28 U+45.1 U+45.2 U+45.3 U+45.4 U+45.5 U+45.6 U+45.7 U+45.8 U+45.9 U+45.10 U+45.11 U+45.12 U+45.13 U+45.14 U+45.15 U+45.16 U+45.17 U+45.18 U+45.19 U+45.20 U+45.21 U+45.22 U+45.23 U+45.24 U+45.25 U+45.26 U+45.27 U+45.28 U+45.29 U+45.30 U+45.31 U+45.32 U+45.33 U+45.34 U+45.35 U+45.36 U+45.37 U+45.38 U+45.39 U+45.40 U+45.41 U+45.42 U+45.43 U+45.44 U+45.45 U+45.46 U+45.47 U+45.48 U+46.1 U+46.2 U+46.3 U+46.4 U+46.5 U+46.6 U+46.7 U+46.8 U+47.1 U+47.2 U+47.3 U+47.4 U+47.5 U+47.6 U+47.7 U+47.8 U+47.9 U+47.10 U+47.11 U+47.12 U+47.13 U+47.14 U+47.15 U+47.16 U+48.1 U+48.2 U+48.3 U+48.4 U+48.5 U+48.6 U+49.1 U+49.2 U+49.3 U+49.4 U+49.5 U+49.6 U+49.7 U+49.8 U+50.1 U+50.2 U+50.3 U+50.4 U+50.5 U+50.6 U+50.7 U+50.8 U+50.9 U+50.10 U+50.11 U+50.12 U+50.13 U+50.14 U+50.15 U+50.16 U+50.17 U+50.18 U+50.19 U+50.20 U+50.21 U+50.22 U+50.23 U+50.24 U+50.25 U+50.26 U+50.27 U+50.28 U+51.1 U+51.2 U+51.3 U+51.4 U+51.5 U+51.6 U+52.1 U+52.2 U+52.3 U+52.4 U+52.5 U+52.6 U+52.7 U+52.8 U+53.1 U+53.2 U+53.3 U+53.4 U+53.5 U+53.6 U+53.7 U+53.8 U+54.0 U+54.1 U+54.2 U+54.3 U+54.4 U+54.5 U+55.0 U+55.1 U+55.2 U+55.3 U+55.4 U+55.5 U+56.1 U+56.2 U+56.3 U+56.4 U+56.5 U+56.6 U+56.7 U+56.8 U+57.1 U+57.2 U+57.3 U+57.4 U+57.5 U+57.6 U+57.7 U+57.8 U+58.1 U+58.2 U+58.3 U+58.4 U+58.5 U+58.6 U+58.7 U+58.8 U+59.1 U+59.2 U+59.3 U+59.4 U+59.5 U+59.6 U+59.7 U+59.8 U+59.9 U+59.10 U+59.11 U+59.12 U+59.13 U+59.14 U+59.15 U+59.16 U+60.1 U+60.2 U+60.3 U+60.4 U+60.5 U+60.6 U+60.7 U+60.8 U+61.1 U+61.2 U+61.3 U+61.4 U+61.5 U+61.6 U+61.7 U+61.8 U+61.9 U+61.10 U+61.11 U+61.12 U+61.13 U+61.14 U+61.15 U+61.16 U+61.17 U+61.18 U+62.1 U+62.2 U+62.3 U+62.4 U+62.5 U+62.6 U+62.7 U+62.8 U+63.1 U+63.2 U+63.3 U+63.4 U+63.5 U+63.6 U+63.7 U+63.8 U+64.0 U+64.1 U+64.2 U+64.3 U+64.4 U+64.5 U+64.6 U+64.7 U+64.8 U+65.0 U+65.1 U+65.2 U+65.3 U+65.4 U+65.5 U+65.6 U+65.7 U+65.8 U+66.1 U+66.2 U+66.3 U+66.4 U+66.5 U+66.6 U+67.1 U+67.2 U+67.3 U+67.4 U+67.5 U+67.6 U+68.1 U+68.2 U+68.3 U+68.4 U+68.5 U+68.6 U+68.7 U+68.8 U+69.1 U+69.2 U+69.3 U+69.4 U+69.5 U+69.6 U+69.7 U+69.8 U+70.1 U+70.2 U+70.3 U+70.4 U+70.5 U+70.6 U+70.7 U+70.8 U+70.9 U+70.10 U+70.11 U+70.12 U+70.13 U+70.14 U+70.15 U+70.16 U+70.17 U+70.18 U+70.19 U+70.20 U+70.21 U+70.22 U+70.23 U+70.24 U+71.1 U+71.2 U+71.3 U+71.4 U+71.5 U+71.6 U+72.1 U+72.2 U+72.3 U+72.4 U+72.5 U+72.6 U+72.7 U+72.8 U+73.1 U+73.2 U+73.3 U+73.4 U+74.1 U+74.2 U+74.3 U+74.4 U+74.5 U+74.6 U+74.7 U+74.8 U+74.9 U+74.10 U+74.11 U+74.12 U+74.13 U+74.14 U+74.15 U+74.16 U+74.17 U+74.18 U+74.19 U+74.20 U+74.21 U+74.22 U+74.23 U+74.24 U+74.25 U+74.26 U+74.27 U+74.28 U+74.29 U+74.30 U+74.31 U+74.32 U+74.33 U+74.34 U+74.35 U+74.36 U+74.37 U+74.38 U+74.39 U+74.40 U+74.41 U+74.42 U+74.43 U+74.44 U+74.45 U+74.46 U+74.47 U+74.48 U+75.1 U+75.2 U+75.3 U+75.4 U+75.5 U+75.6 U+75.7 U+75.8 U+76.1 U+76.2 U+76.3 U+76.4 U+76.5 U+76.6 U+76.7 U+76.8 U+77.1 U+77.2 U+77.3 U+77.4 U+77.5 U+77.6 U+77.7 U+77.8 U+78.1 U+78.2 U+78.3 U+78.4 U+78.5 U+78.6 U+78.7 U+78.8 U+78.9 U+78.10 U+78.11 U+78.12 U+78.13 U+78.14 U+78.15 U+78.16 U+79.1 U+79.2 U+79.3 U+79.4 U+79.5 U+79.6 U+80.1 U+80.2 U+80.3 U+80.4 U+80.5 U+80.6 U+80.7 U+80.8 U+80.9 U+80.10 U+80.11 U+80.12 U+80.13 U+80.14 U+80.15 U+80.16 U+81.1 U+81.2 U+81.3 U+81.4 U+81.5 U+81.6 U+81.7 U+81.8 U+81.9 U+81.10 U+81.11 U+81.12 U+81.13 U+81.14 U+81.15 U+81.16 U+81.17 U+81.18 U+81.19 U+81.20 U+82.1 U+82.2 U+82.3 U+82.4 U+82.5 U+82.6 U+82.7 U+82.8 U+82.9 U+82.10 U+82.11 U+82.12 U+82.13 U+82.14 U+82.15 U+82.16 U+82.17 U+82.18 U+82.19 U+82.20 U+82.21 U+82.22 U+82.23 U+82.24 U+82.25 U+82.26 U+82.27 U+82.28 U+83.1 U+83.2 U+83.3 U+83.4 U+83.5 U+83.6 U+83.7 U+83.8 U+83.9 U+83.10 U+83.11 U+83.12 U+83.13 U+83.14 U+83.15 U+83.16 U+83.17 U+83.18 U+83.19 U+83.20 U+83.21 U+83.22 U+83.23 U+83.24 U+83.25 U+83.26 U+83.27 U+83.28 U+84.1 U+84.2 U+84.3 U+84.4 U+84.5 U+85.0 U+85.1 U+85.2 U+85.3 U+85.4 U+85.5 U+85.6 U+85.7 U+85.8 U+86.1 U+86.2 U+86.3 U+86.4 U+86.5 U+86.6 U+87.0 U+87.1 U+87.2 U+87.3 U+87.4 U+87.5 U+87.6 U+87.7 U+87.8 U+88.1 U+88.2 U+88.3 U+88.4 U+88.5 U+88.6 U+88.7 U+88.8 U+89.1 U+89.2 U+89.3 U+89.4 U+89.5 U+90.1 U+90.2 U+90.3 U+90.4 U+90.5 U+90.6 U+90.7 U+90.8 U+91.1 U+91.2 U+91.3 U+91.4 U+91.5 U+91.6 U+91.7 U+91.8 U+91.9 U+91.10 U+91.11 U+91.12 U+91.13 U+91.14 U+91.15 U+91.16 U+92.1 U+92.2 U+92.3 U+92.4 U+92.5 U+92.6 U+92.7 U+92.8 U+93.1 U+93.2 U+93.3 U+93.4 U+93.5 U+93.6 U+93.7 U+93.8 U+93.9 U+93.10 U+93.11 U+93.12 U+93.13 U+93.14 U+93.15 U+93.16 U+93.17 U+93.18 U+94.1 U+94.2 U+94.3 U+94.4 U+94.5 U+94.6 U+94.7 U+94.8 U+95.1 U+95.2 U+95.3 U+95.4 U+95.5 U+95.6 U+95.7 U+95.8 VR1.1 VR1.2 VR1.3 VR2.1 VR2.2 VR2.3 VR3.1 VR3.2 VR3.3 VR4.1 VR4.2 VR4.3 VR5.1 VR5.2 VR5.3 VR6.1 VR6.2 VR6.3 VR7.1 VR7.2 VR7.3 VR8.1 VR8.2 VR8.3 VR9.1 VR9.2 VR9.3 Y1.1 Y1.2 Y2.1 Y2.2 Y2.3 Y2.4 Y3.1 Y3.2 Y3.3 Y3.4 Y4.1 Y4.2 Y4.3 Y4.4 Y5.1 Y5.2 Y6.1 Y6.2

## Silkscreen, mask and mechanical layers (free items; w line width, h text height)
Mechanical 1:
  the board outline again, w0.254